# Altium PCB Battman.PcbDoc (part 2 of 5) (continued)
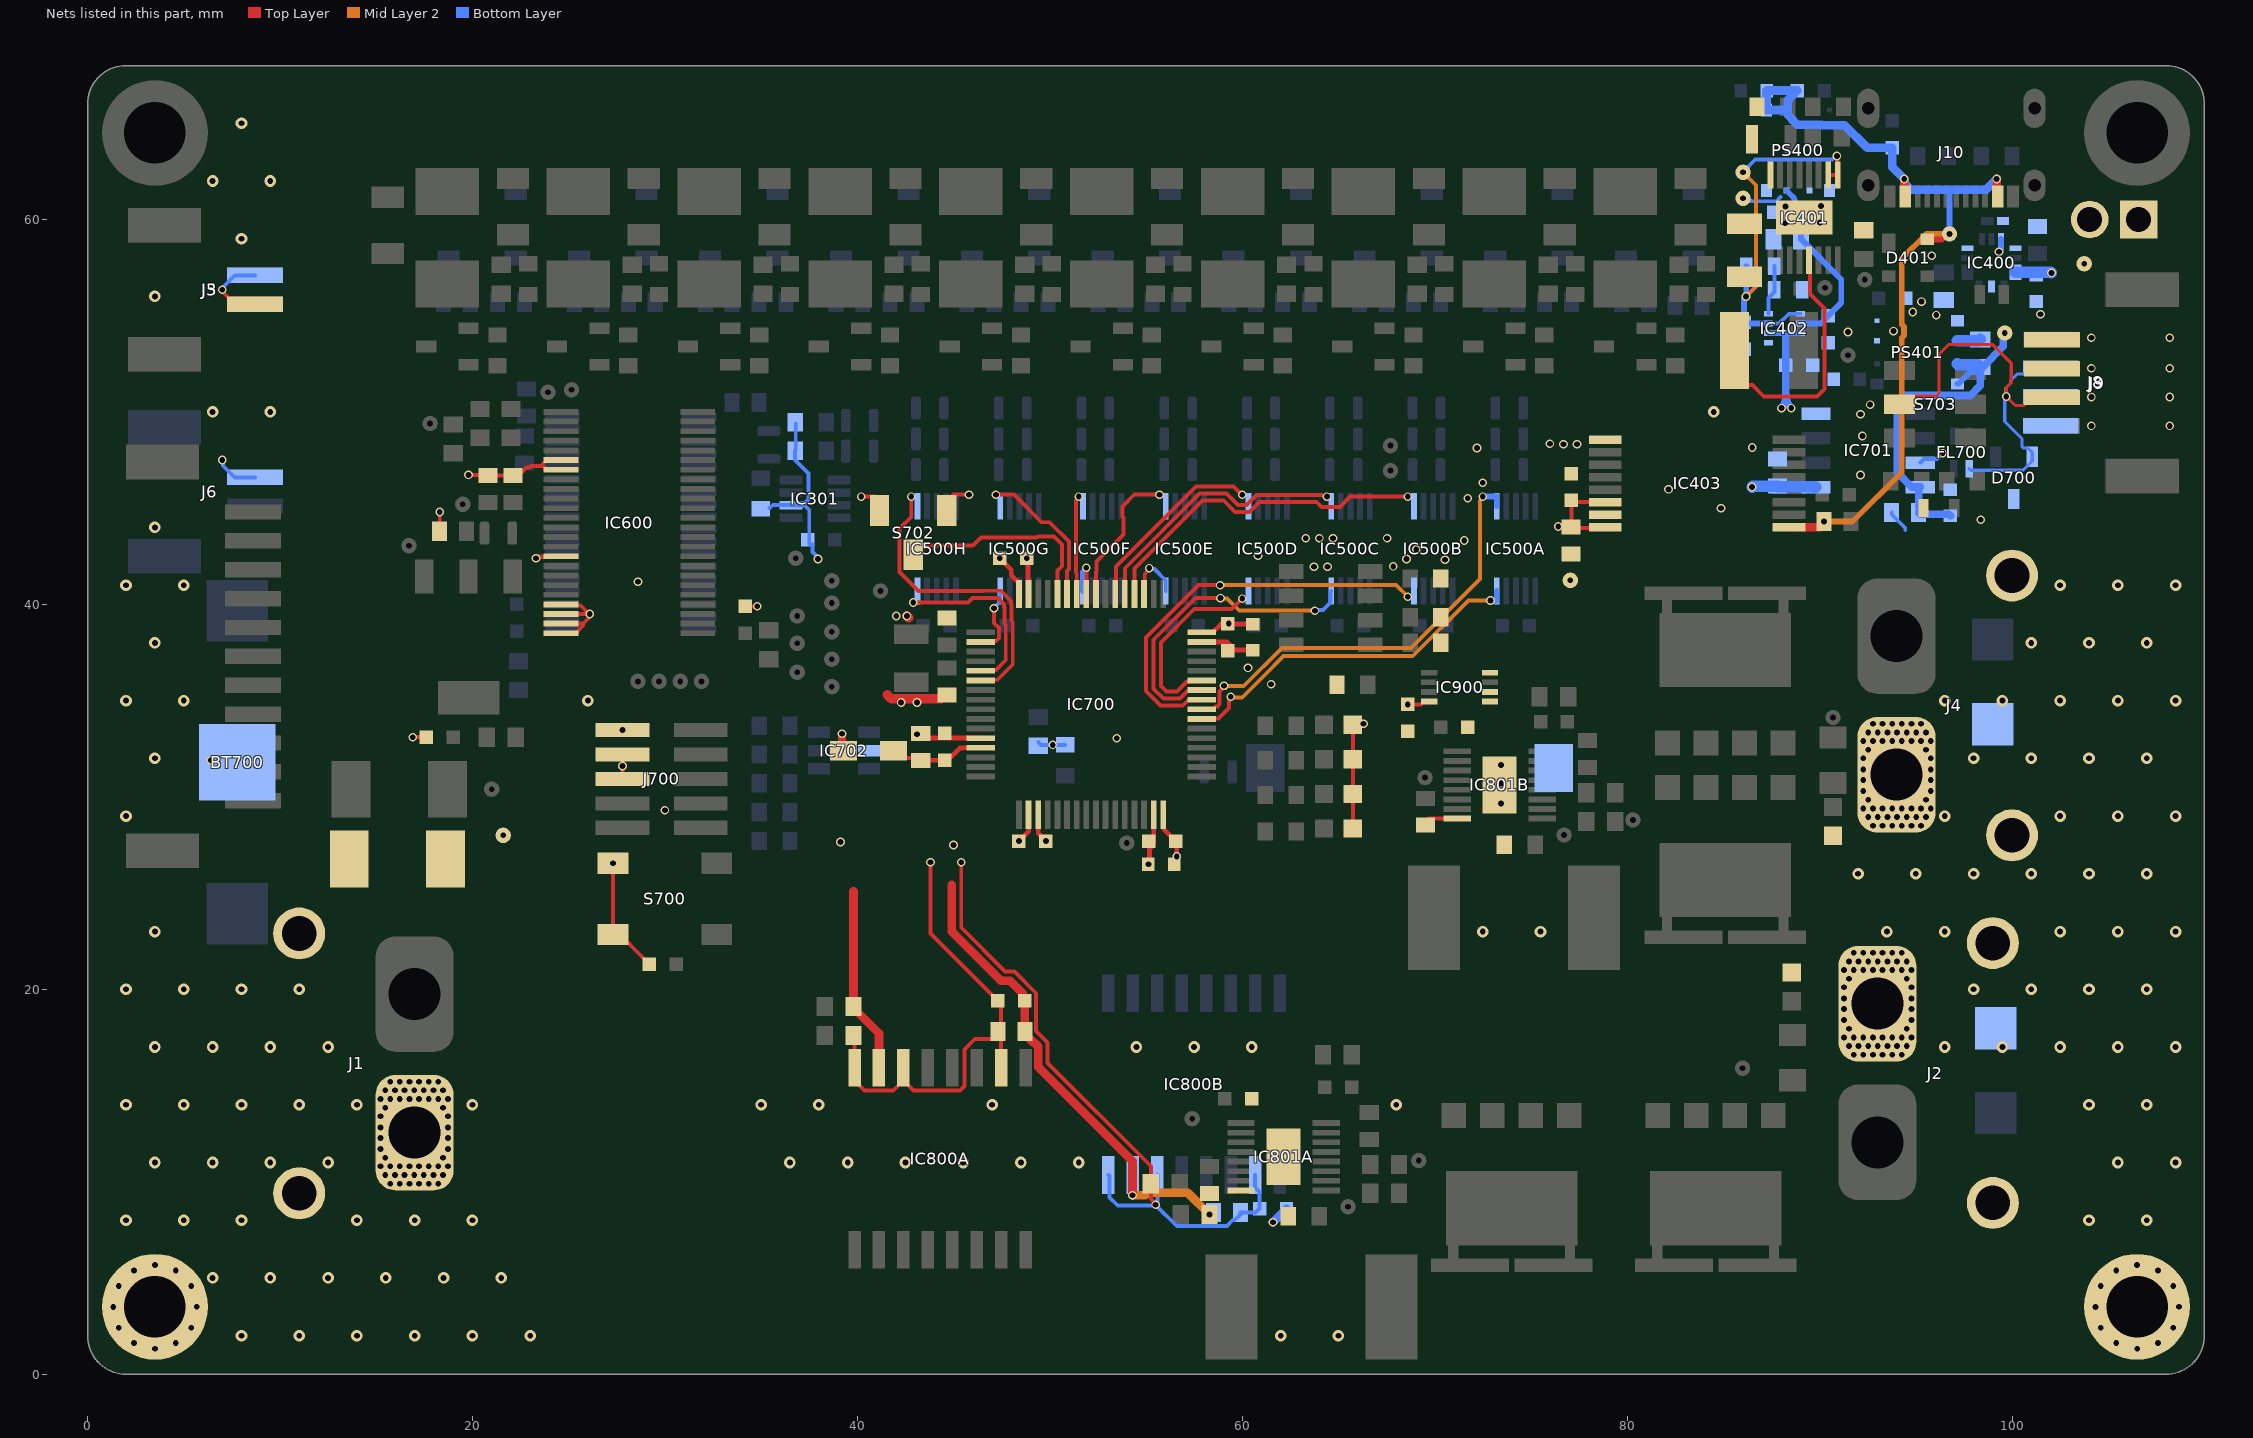
[diagram p6: the nets of this part, all layers, seen from the top]
## Part data (continued)
J4: "Connector", Manufacturer_Name=Amass, Datasheet Link=https://www.tme.eu/Document/1191bc2fa3aee3c446e5a895fd8f7983/XT60PW-F.pdf, Height=8.4mm, Manufacturer_Part_Number=XT60PW-F
J7: "Connector", Arrow Part Number=502585-1070, Manufacturer_Name=Molex, Mouser Part Number=538-502585-1070, Arrow Price/Stock=https://www.arrow.com/en/products/502585-1070/molex, Datasheet Link=https://www.molex.com/pdm_docs/sd/5025851070_sd.pdf, Height=6.35mm, Manufacturer_Part_Number=502585-1070, Mouser Price/Stock=https://www.mouser.co.uk/ProductDetail/Molex/502585-1070?qs=3OKVfsn1b5BLfpTO0z92Dw%3D%3D
J8 J9: "Connector", Manufacturer_Name=Molex, Mouser Part Number=538-502585-0470, Arrow Part Number=502585-0470, Arrow Price/Stock=https://www.arrow.com/en/products/5025850470/molex, Height=6.6mm, Manufacturer_Part_Number=502585-0470, Mouser Price/Stock=https://www.mouser.co.uk/ProductDetail/Molex/502585-0470?qs=3OKVfsn1b5AU8ip3wCejKg%3D%3D
J10: "USB-C (USB TYPE-C) USB 2.0 Receptacle Connector 24 (6+18 Dummy) Position Surface Mount, Right Angle; Through Hole", Package=None, Check_prices=https://www.snapeda.com/parts/10171746-00021LF/Amphenol/view-part/?ref=eda, MF=Amphenol, MP=10171746-00021LF, SnapEDA_Link=https://www.snapeda.com/parts/10171746-00021LF/Amphenol/view-part/?ref=snap
J11: "Connector", Manufacturer_Name="Wurth Elektronik", Mouser Part Number=710-61300211121, Datasheet Link=https://componentsearchengine.com/Datasheets/2/61300211121.pdf, Height=8.54mm, Manufacturer_Part_Number=61300211121, Mouser Price/Stock=https://www.mouser.co.uk/ProductDetail/Wurth-Elektronik/61300211121?qs=t4813l51qx%252B1A5GYDQxPlw%3D%3D
J700: "Connector", Manufacturer_Name=SAMTEC, Mouser Part Number=200-FTSH10501LDVK, Arrow Part Number=FTSH-105-01-L-DV-K, Arrow Price/Stock=https://www.arrow.com/en/products/ftsh-105-01-l-dv-k/samtec?utm_currency=USD&region=europe, Datasheet Link=https://www.arrow.com/en/products/ftsh-105-01-l-dv-k/samtec, Height=6.1mm, Manufacturer_Part_Number=FTSH-105-01-L-DV-K, Mouser Price/Stock=https://www.mouser.co.uk/ProductDetail/Samtec/FTSH-105-01-L-DV-K?qs=%252B5JSS813miOqo3Vy%252BvhCFg%3D%3D
L400: "Inductor", Manufacturer_Name=TDK, Mouser Part Number=810-VLS5045EX-220M, Arrow Part Number=VLS5045EX-220M, Arrow Price/Stock=https://www.arrow.com/en/products/vls5045ex-220m/tdk?region=nac, Datasheet Link=https://product.tdk.com/system/files/dam/doc/product/inductor/inductor/smd/catalog/inductor_commercial_power_vls5045ex_en.pdf, Height=4mm, Manufacturer_Part_Number=VLS5045EX-220M, Mouser Price/Stock=https://www.mouser.co.uk/ProductDetail/TDK/VLS5045EX-220M?qs=oF%2FSscNnLpAAQL9ec5VdpA%3D%3D
L401: "Inductor", Manufacturer_Name="Murata Electronics", Mouser Part Number=81-DFE18SBN1R0ME0L, Datasheet Link=https://search.murata.co.jp/Ceramy/image/img/P02/JETE243A-0041.pdf, Height=0.8mm, Manufacturer_Part_Number=DFE18SBN1R0ME0L, Mouser Price/Stock=https://www.mouser.co.uk/ProductDetail/Murata-Electronics/DFE18SBN1R0ME0L?qs=byeeYqUIh0Mps9dQtDnpsA%3D%3D
LED700 LED800A LED800B: "LED", Manufacturer_Name="Wurth Elektronik", Mouser Part Number=710-150060VS75000, Datasheet Link=https://componentsearchengine.com/Datasheets/2/150060VS75000.pdf, Height=0.8mm, Manufacturer_Part_Number=150060VS75000, Mouser Price/Stock=https://www.mouser.co.uk/ProductDetail/Wurth-Elektronik/150060VS75000?qs=LlUlMxKIyB1Q1Bi5mQ%2FKLw%3D%3D
LED701: "LED", Manufacturer_Name="Wurth Elektronik", Mouser Part Number=710-150060YS75000, Datasheet Link=http://uk.rs-online.com/web/p/products/8154219, Height=0.8mm, Manufacturer_Part_Number=150060YS75000, Mouser Price/Stock=https://www.mouser.co.uk/ProductDetail/Wurth-Elektronik/150060YS75000?qs=LlUlMxKIyB0nKmwefHgtZw%3D%3D
LED702: "LED", Manufacturer_Name="Wurth Elektronik", Mouser Part Number=710-150060AS75000, Datasheet Link=https://componentsearchengine.com/Datasheets/2/150060AS75000.pdf, Height=0.8mm, Manufacturer_Part_Number=150060AS75000, Mouser Price/Stock=https://www.mouser.co.uk/ProductDetail/Wurth-Elektronik/150060AS75000?qs=d0WKAl%252BL4KbvMBYryeof0Q%3D%3D
LED703: "LED", Manufacturer_Name="Wurth Elektronik", Mouser Part Number=710-150060RS75000, Datasheet Link=http://katalog.we-online.de/led/datasheet/150060RS75000.pdf, Height=0.8mm, Manufacturer_Part_Number=150060RS75000, Mouser Price/Stock=https://www.mouser.co.uk/ProductDetail/Wurth-Elektronik/150060RS75000?qs=LlUlMxKIyB3QnmZ3fw%2FVCA%3D%3D
LS700: "Loudspeaker or Buzzer", Manufacturer_Name="Same Sky", Mouser Part Number=490-CPT-1625-80SMTTR, Datasheet Link=https://www.sameskydevices.com/product/resource/supplyframepdf/cpt-1625-80-smt-tr.pdf, Height=3mm, Manufacturer_Part_Number=CPT-1625-80-SMT-TR, Mouser Price/Stock=https://www.mouser.co.uk/ProductDetail/CUI-Devices/CPT-1625-80-SMT-TR?qs=P1JMDcb91o43eCFIymFs3Q%3D%3D
PS400 PS401: Package=None, Availability=Unavailable, MF="{'manufacturer': u'Recom Power'}", MP=R05C1TF05S-R, Price=None
Q200A Q200B Q200C Q200D Q200E Q200F Q200G Q200H Q200I Q200J: "Integrated Circuit", Manufacturer_Name=Nexperia, Mouser Part Number=771-NX2301P215, Arrow Part Number=NX2301P,215, Arrow Price/Stock=https://www.arrow.com/en/products/nx2301p215/nexperia?utm_currency=USD&region=europe, Datasheet Link=https://assets.nexperia.com/documents/data-sheet/NX2301P.pdf, Height=1.1mm, Manufacturer_Part_Number=NX2301P,215, Mouser Price/Stock=https://www.mouser.co.uk/ProductDetail/Nexperia/NX2301P215?qs=A1cBxND5mHKs%252BLrxCDENxw%3D%3D
Q600: "Transistor BJT NPN", Manufacturer_Name=Nexperia, Mouser Part Number=771-BCP56-16TF, Arrow Part Number=BCP56-16TF, Arrow Price/Stock=https://www.arrow.com/en/products/bcp56-16tf/nexperia?region=nac, Datasheet Link=https://assets.nexperia.com/documents/data-sheet/BCP56T_SER.pdf, Height=1.8mm, Manufacturer_Part_Number=BCP56-16TF, Mouser Price/Stock=https://www.mouser.co.uk/ProductDetail/Nexperia/BCP56-16TF?qs=uj7TeyS2Sj96ubfysKmpcg%3D%3D
Q800A Q800B Q801A Q801B: "MOSFET (N-Channel)", Manufacturer_Name=Vishay, Mouser Part Number=78-SQJQ160E-T1_GE3, Datasheet Link=https://www.vishay.com/docs/63059/sqjq160e.pdf, Height=1.65mm, Manufacturer_Part_Number=SQJQ160E-T1_GE3, Mouser Price/Stock=https://www.mouser.co.uk/ProductDetail/Vishay-Semiconductors/SQJQ160E-T1_GE3?qs=Wj%2FVkw3K%252BMDBWZlqh0rWDw%3D%3D
R1 R2: "Resistor 5.1k, 1%", Manufacturer_Name=Vishay, Mouser Part Number=71-CRCW06035K10FKEBC, Arrow Part Number=CRCW06035K10FKEBC, Arrow Price/Stock=https://www.arrow.com/en/products/crcw06035k10fkebc/vishay?region=nac, Datasheet Link=https://www.vishay.com/docs/28773/crcwce3.pdf, Height=0.55mm, Manufacturer_Part_Number=CRCW06035K10FKEBC, Mouser Price/Stock=https://www.mouser.co.uk/ProductDetail/Vishay-Dale/CRCW06035K10FKEBC?qs=wd5RIQLrsJiajonkePuzqw%3D%3D, Supplier 1=Mouser, Supplier Part Number 1=71-CRCW06035K10FKEBC
R200A R200B R200C R200D R200E R200F R200G R200H R200I R200J: "Resistor 1k, 1%", Manufacturer_Name=YAGEO, Mouser Part Number=603-AF0603FR-071KL, Datasheet Link=https://www.mouser.de/datasheet/2/447/PYu_AF_51_RoHS_L_9-3358811.pdf, Height=0.55mm, Manufacturer_Part_Number=AF0603FR-071KL, Mouser Price/Stock=https://www.mouser.co.uk/ProductDetail/YAGEO/AF0603FR-071KL?qs=tggtontpCXPK7%252BIEiEzGxw%3D%3D, Supplier 1=Avnet, Supplier Part Number 1=AF0603FR-071KL
R201A R201B R201C R201D R201E R201F R201G R201H R201I R201J R303 R600 R604: "Resistor 100R, 1%", Manufacturer_Name=Vishay, Mouser Part Number=71-CRCW0603-100-E3, Arrow Part Number=CRCW0603100RFKEA, Arrow Price/Stock=https://www.arrow.com/en/products/crcw0603100rfkea/vishay?utm_currency=USD&region=europe, Datasheet Link=http://www.vishay.com/docs/20035/dcrcwe3.pdf, Height=0.5mm, Manufacturer_Part_Number=CRCW0603100RFKEA, Mouser Price/Stock=https://www.mouser.co.uk/ProductDetail/Vishay-Dale/CRCW0603100RFKEA?qs=90AHS1y%2FsidGWjjxZAupKg%3D%3D, Supplier 1=Mouser, Supplier Part Number 1=71-CRCW0603-100-E3
R202A R202B R202C R202D R202E R202F R202G R202H R202I R202J: library part CRGH0603F3K3, "Resistor 3k3 1%", Manufacturer_Name="TE Connectivity", Mouser Part Number=279-CRGH0603F3K3, Supplier Part Number 1=46AK9312, Datasheet Link=http://docs-europe.electrocomponents.com/webdocs/12d7/0900766b812d7379.pdf, Height=0.55mm, Manufacturer_Part_Number=CRGH0603F3K3, Supplier 1=Avnet
R203A R203B R203C R203D R203E R203F R203G R203H R203I R203J: library part CRM2512-JW-330ELF, "Resistor 33R, 2W, 5%", Manufacturer_Name=Bourns, Mouser Part Number=652-CRM2512JW330ELF, Datasheet Link=http://www.bourns.com/data/global/pdfs/CRM0805_1206_2010.pdf, Height=0.8mm, Manufacturer_Part_Number=CRM2512-JW-330ELF, Mouser Price/Stock=https://www.mouser.co.uk/ProductDetail/Bourns/CRM2512-JW-330ELF?qs=dxeCVZFKEXcR8BXxHz0dQA%3D%3D, Supplier 1=Mouser, Supplier Part Number 1=652-CRM2512JW330ELF
R300 R301 R302 R405: library part CRCW0603100KFKEAC, "Resistor 100k, 1%", Manufacturer_Name=Vishay, Mouser Part Number=71-CRCW0603100KFKEAC, Arrow Part Number=CRCW0603100KFKEAC, Arrow Price/Stock=https://www.arrow.com/en/products/crcw0603100kfkeac/vishay?utm_currency=USD&region=nac, Datasheet Link=https://www.mouser.com/datasheet/2/427/crcwce3-1223726.pdf, Height=0.55mm, Manufacturer_Part_Number=CRCW0603100KFKEAC, Mouser Price/Stock=https://www.mouser.co.uk/ProductDetail/Vishay-Dale/CRCW0603100KFKEAC?qs=E3Y5ESvWgWPxzfNYyMgX1w%3D%3D, Supplier 1=Mouser, Supplier Part Number 1=71-CRCW0603100KFKEAC
R400: library part CR0201-FW-4991GLF, "Resistor", Manufacturer_Name=Bourns, Mouser Part Number=652-CR0201FW-4991GLF, Datasheet Link=https://www.bourns.com/pdfs/chpreztr.pdf, Height=0.26mm, Manufacturer_Part_Number=CR0201-FW-4991GLF, Mouser Price/Stock=https://www.mouser.co.uk/ProductDetail/Bourns/CR0201-FW-4991GLF?qs=W7X4MxMep48JtJbJXkcmpg%3D%3D
R402: library part MCT0603MD1304BP500, "Resistor 1.3M 1%", Manufacturer_Name=Vishay, Mouser Part Number=594-MCT0603MD1304BP5, Datasheet Link=http://www.vishay.com/docs/28705/mcx0x0xpro.pdf, Height=0.55mm, Manufacturer_Part_Number=MCT0603MD1304BP500, Mouser Price/Stock=https://www.mouser.co.uk/ProductDetail/Vishay/MCT0603MD1304BP500?qs=Jslch3jnSjn3NEL17BAJuQ%3D%3D, Supplier 1=Mouser, Supplier Part Number 1=594-MCT0603MD1304BP5
R403: library part CRCW0603232KFKEA, "Resistor", Manufacturer_Name=Vishay, Mouser Part Number=71-CRCW0603-232K-E3, Arrow Part Number=CRCW0603232KFKEA, Arrow Price/Stock=https://www.arrow.com/en/products/crcw0603232kfkea/vishay, Datasheet Link=http://www.vishay.com/docs/20035/dcrcwe3.pdf, Height=0.5mm, Manufacturer_Part_Number=CRCW0603232KFKEA, Mouser Price/Stock=https://www.mouser.co.uk/ProductDetail/Vishay-Dale/CRCW0603232KFKEA?qs=NHKSztHah43mx5UrSmXOxA%3D%3D
R404 R806A R806B: library part CRCW0603100RFKEA, "Resistor 100R, 1%", Manufacturer_Name=Vishay, Mouser Part Number=71-CRCW0603-100-E3, Arrow Part Number=CRCW0603100RFKEA, Arrow Price/Stock=https://www.arrow.com/en/products/crcw0603100rfkea/vishay?utm_currency=USD&region=europe, Datasheet Link=http://www.vishay.com/docs/20035/dcrcwe3.pdf, Height=0.5mm, Manufacturer_Part_Number=CRCW0603100RFKEA, Mouser Price/Stock=https://www.mouser.co.uk/ProductDetail/Vishay-Dale/CRCW0603100RFKEA?qs=90AHS1y%2FsidGWjjxZAupKg%3D%3D, Supplier 1=Mouser, Supplier Part Number 1=71-CRCW0603-100-E3
R406 R407: library part ERA-3AED154V, "Resistor 150k 0.5%", Manufacturer_Name=Panasonic, Mouser Part Number=667-ERA-3AED154V, Arrow Part Number=ERA-3AED154V, Arrow Price/Stock=https://www.arrow.com/en/products/era-3aed154v/panasonic?region=nac, Datasheet Link=https://industrial.panasonic.com/cdbs/www-data/pdf/RDM0000/AOA0000C307.pdf, Height=0.55mm, Manufacturer_Part_Number=ERA-3AED154V, Mouser Price/Stock=https://www.mouser.co.uk/ProductDetail/Panasonic/ERA-3AED154V?qs=MNPzkKEzRtSm98HasUBZjQ%3D%3D, Supplier 1=Mouser, Supplier Part Number 1=667-ERA-3AED154V
R601 R602 R603 R900: "Resistor 10k, 1%", Manufacturer_Name=Vishay, Mouser Part Number=71-CRCW060310K0FKEI, Arrow Part Number=CRCW060310K0FKEI, Arrow Price/Stock=https://www.arrow.com/en/products/crcw060310k0fkei/vishay?utm_currency=USD&region=nac, Datasheet Link=http://www.vishay.com/docs/20035/dcrcwe3.pdf, Height=0.5mm, Manufacturer_Part_Number=CRCW060310K0FKEI, Mouser Price/Stock=https://www.mouser.co.uk/ProductDetail/Vishay-Dale/CRCW060310K0FKEI?qs=3qWEzBg5KnKofE%252B8acPBRA%3D%3D, Supplier 1=Mouser, Supplier Part Number 1=71-CRCW060310K0FKEI
R700 R701 R702 R703: library part ERJ-3EKF2700V, "Resistor 270R 1%", Manufacturer_Name=Panasonic, Mouser Part Number=667-ERJ-3EKF2700V, Arrow Part Number=ERJ-3EKF2700V, Arrow Price/Stock=https://www.arrow.com/en/products/erj-3ekf2700v/panasonic?region=nac, Datasheet Link=http://industrial.panasonic.com/cdbs/www-data/pdf/RDA0000/AOA0000C86.pdf, Height=0.55mm, Manufacturer_Part_Number=ERJ-3EKF2700V, Mouser Price/Stock=https://www.mouser.co.uk/ProductDetail/Panasonic/ERJ-3EKF2700V?qs=iBwFsHVUAOdaUVxng5ojCw%3D%3D
R704 R705 R706 R707 R712 R713 R714 R715 R716: library part RC0603FR-0722RL, "Resistor 22Ohm 1%", Manufacturer_Name=YAGEO, Mouser Part Number=603-RC0603FR-0722RL, Supplier Part Number 1=8636706, Arrow Part Number=RC0603FR-0722RL, Arrow Price/Stock=https://www.arrow.com/en/products/rc0603fr-0722rl/yageo?region=nac, Datasheet Link=http://www.farnell.com/datasheets/1868787.pdf, Height=0.55mm, Manufacturer_Part_Number=RC0603FR-0722RL, Mouser Price/Stock=https://www.mouser.co.uk/ProductDetail/YAGEO/RC0603FR-0722RL?qs=diQw95jMAeMOsxb8bne7fg%3D%3D, Supplier 1="Future Electronics"
R708 R709: library part CPF0603F60R4C1, "Resistor 60.4R, 1%", Manufacturer_Name="TE Connectivity", Mouser Part Number=279-CPF0603F60R4C1, Datasheet Link=https://www.te.com/commerce/DocumentDelivery/DDEController?Action=srchrtrv&DocNm=8-1773459-4_ELEVATOR_ESCALATOR_SOLUTIONS&DocType=Data%20Sheet&DocLang=English&PartCntxt=4-1879335-4&DocFormat=pdf, Height=0.55mm, Manufacturer_Part_Number=CPF0603F60R4C1, Supplier 1=Mouser, Supplier Part Number 1=279-CPF0603F60R4C1
R711: library part CRCW06035K10FKEBC, "Resistor 5.1k, 1%", Manufacturer_Name=Vishay, Mouser Part Number=71-CRCW06035K10FKEBC, Arrow Part Number=CRCW06035K10FKEBC, Arrow Price/Stock=https://www.arrow.com/en/products/crcw06035k10fkebc/vishay?region=nac, Datasheet Link=https://www.vishay.com/docs/28773/crcwce3.pdf, Height=0.55mm, Manufacturer_Part_Number=CRCW06035K10FKEBC, Mouser Price/Stock=https://www.mouser.co.uk/ProductDetail/Vishay-Dale/CRCW06035K10FKEBC?qs=wd5RIQLrsJiajonkePuzqw%3D%3D, Supplier 1=Mouser, Supplier Part Number 1=71-CRCW06035K10FKEBC
R800A R800B: library part ERJ-P06J332V, "Resistor", Manufacturer_Name=Panasonic, Mouser Part Number=667-ERJ-P06J332V, Arrow Part Number=ERJ-P06J332V, Arrow Price/Stock=https://www.arrow.com/en/products/erj-p06j332v/panasonic, Datasheet Link=http://industrial.panasonic.com/cdbs/www-data/pdf/RDA0000/AOA0000C102.pdf, Height=0.7mm, Manufacturer_Part_Number=ERJ-P06J332V, Mouser Price/Stock=https://www.mouser.co.uk/ProductDetail/Panasonic/ERJ-P06J332V?qs=Zyl8A9hlmJrue%2FwxovXuCg%3D%3D
R801A R801B R802A R802B R803A R803B R804A R804B: library part CRCW06030000Z0EC, "Resistor", Manufacturer_Name=Vishay, Mouser Part Number=71-CRCW06030000Z0EC, Arrow Part Number=CRCW06030000Z0EC, Arrow Price/Stock=https://www.arrow.com/en/products/crcw06030000z0ec/vishay?utm_currency=USD&region=nac, Datasheet Link=http://www.vishay.com/docs/20035/dcrcwe3.pdf, Height=0.5mm, Manufacturer_Part_Number=CRCW06030000Z0EC, Mouser Price/Stock=https://www.mouser.co.uk/ProductDetail/Vishay-Dale/CRCW06030000Z0EC?qs=5Vo7YKalRVV5nT3RQodYAA%3D%3D
R805A R805B: library part PU3921FKN130U2L, "Resistor", Manufacturer_Name=YAGEO, Mouser Part Number=603-PU3921FKN130U2L, Arrow Part Number=PU3921FKN130U2L, Arrow Price/Stock=https://www.arrow.com/en/products/pu3921fkn130u2l/yageo?utm_currency=USD&region=nac, Datasheet Link=https://www.yageo.com/upload/media/product/app/datasheet/rchip/pyu-pu_51_rohs_l.pdf, Height=0.63mm, Manufacturer_Part_Number=PU3921FKN130U2L, Mouser Price/Stock=https://www.mouser.co.uk/ProductDetail/YAGEO/PU3921FKN130U2L?qs=Yv%2FzsQ5pz3Hao%2Fr%2FiAcpvw%3D%3D
R807A R807B: library part AT0603BRD0740KL, "Resistor", Manufacturer_Name=YAGEO, Mouser Part Number=603-AT0603BRD0740KL, Datasheet Link=https://pt.mouser.com/datasheet/2/447/PYu_AT_51_RoHS_L_6-3003058.pdf, Height=0.55mm, Manufacturer_Part_Number=AT0603BRD0740KL
S700: "Switch", Manufacturer_Name=Apem, Mouser Part Number=642-MJTP1140A, Datasheet Link=https://componentsearchengine.com/Datasheets/1/MJTP1140A.pdf, Height=1.5mm, Manufacturer_Part_Number=MJTP1140A, Mouser Price/Stock=https://www.mouser.com/Search/Refine.aspx?Keyword=642-MJTP1140A
S701: "Switch", Manufacturer_Name=CTS, Mouser Part Number=774-218-4LPSTJ, Arrow Part Number=218-4LPSTJ, Arrow Price/Stock=https://www.arrow.com/en/products/218-4lpstj/cts, Datasheet Link=https://www.ctscorp.com/wp-content/uploads/218.pdf, Height=2.7mm, Manufacturer_Part_Number=218-4LPSTJ, Mouser Price/Stock=https://www.mouser.co.uk/ProductDetail/CTS-Electronic-Components/218-4LPSTJ?qs=qNzHFtQhdJ%2Frpuf7cnHHWA%3D%3D
S702: "Switch", Manufacturer_Name="Nidec Copal", Mouser Part Number=229-CAS-120TA, Arrow Part Number=CAS-120TA, Arrow Price/Stock=https://www.arrow.com/en/products/cas-120ta/nidec-copal-electronics, Datasheet Link=https://www.mouser.com/datasheet/2/972/cas-1628136.pdf, Height=2.5mm, Manufacturer_Part_Number=CAS-120TA, Mouser Price/Stock=https://www.mouser.co.uk/ProductDetail/Nidec-Components/CAS-120TA?qs=XeJtXLiO41SaUq1d6RzxrQ%3D%3D
S703: "Switch", Manufacturer_Name="Nidec Copal", Mouser Part Number=229-CAS-220TA, Datasheet Link=https://www.digikey.ph/en/products/detail/nidec-components-corporation/CAS-220TA/341663?msockid=39f1ec84d77b6f4428b7f904d6676eed, Height=2.5mm, Manufacturer_Part_Number=CAS-220TA, Mouser Price/Stock=https://www.mouser.co.uk/ProductDetail/Nidec-Components/CAS-220TA?qs=XeJtXLiO41Tq8gHkPWHRfA%3D%3D
X1 X2 X3 X4: library part VisM3
Y700: "Crystal or Oscillator", Arrow Part Number="FC-135 32.7680KA-AG0", Manufacturer_Name="Epson Timing", Mouser Part Number=732-FC135-32.76KAAG0, Arrow Price/Stock=https://www.arrow.com/en/products/fc-13532.7680ka-ag0/epson-electronics-america?utm_currency=USD&region=nac, Datasheet Link=https://support.epson.biz/td/api/doc_check.php?dl=brief_FC-135&lang=en/.pdf, Height=0.9mm, Manufacturer_Part_Number="FC-135 32.7680KA-AG0", Mouser Price/Stock=https://www.mouser.co.uk/ProductDetail/Epson-Timing/FC-135-32.7680KA-AG0?qs=l3LL3yk8ONZCQSM4diwOUg%3D%3D
Z200A Z200B Z200C Z200D Z200E Z200F Z200G Z200H Z200I Z200J Z201A Z201B Z201C Z201D Z201E Z201F Z201G Z201H Z201I Z201J: "Zener Diode 6.8V", Manufacturer_Name=onsemi, Mouser Part Number=863-MMSZ4692T1G, Arrow Part Number=MMSZ4692T1G, Arrow Price/Stock=https://www.arrow.com/en/products/mmsz4692t1g/on-semiconductor, Datasheet Link=https://www.onsemi.com/pub/Collateral/MMSZ4678T1-D.PDF, Height=1.35mm, Manufacturer_Part_Number=MMSZ4692T1G, Mouser Price/Stock=https://www.mouser.co.uk/ProductDetail/onsemi/MMSZ4692T1G?qs=P4IOph%252Bbot8jSn3zyyx1xw%3D%3D

## Via types
v1: diameter 0.45, hole 0.3, Top Layer to Bottom Layer, tented both sides, 1593 vias
v2: diameter 0.6, hole 0.3, Top Layer to Bottom Layer, tented both sides, 204 vias

## Nets (pads, with @x,y where several pads share a name; then routed paths per layer and width w, separated by ;. In a path a pad name is that pad's centre, name@x,y a point inside that pad or via, vN(x,y) a via of type N, cw(c..) or ccw(c..) an arc to the next point about the centre after c; other vN are vias at no path point)
3.3V: C405.2 C410.1 C411.2 C420.1 C702.2 C703.2 C704.2 C705.2 C706.2 C707.2 C712.2 C800A.2 C800B.2 C804A.2 C804B.2 C900.1 FB700.2 IC400.3 IC400.6 IC402.2 IC402.7 IC403.14 IC403.16 IC700.19 IC700.32 IC700.48 IC700.64 IC701.1 IC800A.10 IC800A.14 IC800A.16 IC800B.10 IC800B.14 IC800B.16 IC900.8 J11.2 J700.1 R711.1 R801A.2 R801B.2 R900.1 S702.3 TP401.1 | length 92.9
  Top Layer w0.203: R801A.2@39.8,17.6 39.855,17.545 IC800A.16@39.855,15.925 39.855,15.275 40.382,14.748 41.868,14.748 IC800A.14@42.395,15.275 ; v1(40.2,45.6) 40.9,45.6 S702.3@41.15,45.35 ; IC800A.14@42.395,15.925 IC800A.14@42.395,15.275 ; v1(43.8,26.6) 43.8,22.898 47.05,19.648 47.052,19.648 C800A.2@47.3,19.4 ; v1(45.4,26.6) 45.4,23.2 47.675,20.925 48.16,20.925 49.292,19.794 49.292,17.826 49.882,17.236 49.882,16.171 55.25,10.802 R801B.2@55.25,9.9 55.25,9.095 55.5,8.845 v1(55.5,8.8) ; C804A.2@47.3,17.8 47.3,17.695 47.012,17.407 46.101,17.407 45.57,16.875 45.57,14.975 45.344,14.748 42.922,14.748 IC800A.14@42.395,15.275 ; IC800A.10@47.475,15.925 C800A.2@47.475,19.225 ; C900.1@68.4,34.8 v1(68.6,34.8) 69.3,34.8 69.402,34.902 69.677,34.902 IC900.8@69.725,34.95 ; IC403.16@78.825,43.969 77.131,43.969 C411.2@77.075,44.025 77.1,44.05 C410.1@77.1,45.4 77.19,45.31 IC403.14@78.866,45.31
  Top Layer w0.25: v1(47.4,42.4) 48,41.8 48,41.526 48.4,41.126 IC700.64@48.4,40.538 ; IC700.19@49.4,29.062 49.4,28.1 v1(49.8,27.7) ; IC700.32@55.9,29.062 55.925,29.037 55.925,28.325 C704.2@56.55,27.7 56.6,27.65 v1(56.6,26.9) 56.562,26.862 56.562,26.524 C702.2@56.537,26.5 ; IC700.48@57.888,38.55 58.476,38.55 58.901,38.975 C706.2@60.55,38.975
  Top Layer w0.4: v1(39.2,33.275) 39.2,32.475 FB700.2@39.275,32.4
  Bottom Layer w0.203: R900.1@49.4,32.85 49.55,32.7 v1(50.15,32.7) R711.1@50.8,32.7 ; IC800B.16@53.05,10.35 53.111,10.289 53.111,9.189 53.53,8.77 55.47,8.77 v1(55.5,8.8) ; IC800B.14@55.59,10.35 55.59,8.957 55.5,8.867 v1(55.5,8.8) ; IC800B.10@60.67,10.35 60.67,9.7 60.9,9.47 C800B.2@60.9,8.6 60.7,8.4 C804B.2@59.9,8.4 59.9,8.295 59.612,8.007 59.507,8.007 59.203,7.703 56.597,7.703 v1(55.5,8.8)
  Bottom Layer w0.3: IC402.2@87.337,54.1 88.175,54.1 IC402.7@89.013,54.1 ; v1(99.325,58.325) 99.325,58.366 99.433,58.474 IC400.3@99.433,58.991
  Bottom Layer w0.4: v1(88.025,50.2) ccw(c87.505,50.72) 88.24,50.72 88.24,50.888 ; 88.175,54.1 cw(c88.018,53.943) 88.24,53.943 C405.2@88.24,52.428 88.24,50.888 ; v1(88.525,50.2) cw(c89.213,50.888) 88.24,50.888
  Bottom Layer w0.6: v1(86.49,46.1) 86.536,46.145 C712.2@87.807,46.145 87.832,46.12 89.788,46.12 IC701.1@89.813,46.095 ; IC400.6@100.171,57.253 101.253,57.253 102.022,57.253 v1(102.05,57.225)
  other v1: 27.8,33.47 59.3,39 76.425,44.05
3.3VUSB: C407.2 C413.1 C414.2 IC402.6 PS400.8_9 TP403.1 | length 11.6
  Bottom Layer w0.2: TP403.1@86.025,61.1 86.14,60.985 86.407,60.985 86.442,60.95 87.75,60.95 87.975,61.175
  Bottom Layer w0.3: PS400.8_9@88.275,61.513 88.616,61.172 cw(c88.403,60.96) 88.672,61.092 88.929,60.567 C413.1@89.026,60.367 89.036,60.357 89.036,58.977 C414.2@89.046,58.967 91.125,56.889 91.125,55.675 C407.2@90.45,55 90.05,54.6 IC402.6@89.013,54.6
3V3_Reg: C403.2 C406.2 IC401.1 IC401.2 IC401.13 IC402.3 IC402.5 L400.2 R406.2 TP402.1 | length 31.7
  Top Layer w0.203: L400.2@86.074,51.826 86.074,51.539 86.223,51.389 86.511,51.389 87.1,50.8 89.875,50.8 90.259,51.184 90.259,55.373 89.502,56.129 89.502,56.834 89.495,56.84 89.495,57.843 IC401.13@89.45,57.888 ; IC401.2@90.45,62.312 IC401.1@90.95,62.312 90.925,62.337 90.925,63.275 v1(90.9,63.3)
  Mid Layer 2 w0.203: TP402.1@86.025,62.45 86.695,61.78 86.695,56.52 v1(86.175,56)
  Bottom Layer w0.203: TP402.1@86.105,62.555 86.657,63.107 90.658,63.107 90.851,63.3 v1(90.9,63.3) ; IC402.3@87.337,54.6 87.901,54.6 88.401,55.1 IC402.5@89.013,55.1
  Bottom Layer w0.3: R406.2@86.2,57.575 86.187,57.562 86.187,56.012 v1(86.175,56) 86.175,55.959 86.075,55.859 C406.2@86.075,54.65 86.125,54.6 IC402.3@87.337,54.6
3V3_Sel: IC402.4 R406.1 R407.2 | length 2.6
  Bottom Layer w0.203: IC402.4@87.337,55.1 87.337,55.912 87.65,56.225 R407.2@87.65,56.35 R406.1@87.65,57.575
3V3A_Stm: C700.2 C701.2 FB700.1 IC700.13 | length 4.9
  Top Layer w0.203: FB700.1@41.875,32.4 42.256,32.019 43.176,32.019 C700.2@43.295,31.9
  Top Layer w0.25: C700.2@43.45,31.9 44.55,31.9 44.7,31.9 45.341,32.541 45.466,32.541 45.475,32.55 IC700.13@46.412,32.55
5V: C418.2 C709.2 C710.2 IC701.8 PS401.7 PS401.8_9 TP407.1 | length 18.7
  Bottom Layer w0.3: PS401.7@97.162,51.463 97.212,51.463 97.815,52.065 98.085,52.065 C418.2@98.35,52.33
  Bottom Layer w0.4: C710.2@95.15,44.775 95.238,44.688 96.712,44.688 C709.2@96.8,44.6 ; C710.2@95.15,45.07 95.15,46.008 IC701.8@95.237,46.095 94.8,46.095 94.05,46.845 94.05,50.45 94.45,50.85 97.825,50.85 98.35,51.375 C418.2@98.35,52.33 98.47,52.33 99.548,53.408 99.548,54.023 TP407.1@99.625,54.1
  Bottom Layer w0.6: PS401.8_9@97.162,52.5 97.217,52.445 98.235,52.445 C418.2@98.35,52.33
5V_USB: C400.2 C401.1 C408.2 C412.1 D401.4 IC403.1 J10.A4_B9 J10.B4_A9 PS400.4_5 PS400.6 TP400.1 | length 45.7
  Top Layer w0.203: J10.B4_A9@94.45,61.2 J10.B4_A9@94.475,61.175
  Top Layer w0.3: D401.4@95.599,58.962 96.343,58.962 96.631,59.25 TP400.1@96.75,59.25
  Top Layer w0.45: IC403.1@88.416,44.01 90.04,44.01 90.225,44.195 v1(90.225,44.3) ; v1(94.4,62.1) 94.4,61.25 J10.B4_A9@94.45,61.2 ; v1(99.2,62.1) 99.2,61.25 J10.A4_B9@99.25,61.2
  Mid Layer 2 w0.3: v1(90.225,44.3) 91.715,44.3 94.269,46.854 94.269,53.846 94.394,53.971 94.394,54.427 94.269,54.552 94.269,57.969 95.55,59.25 TP400.1@96.75,59.25
  Bottom Layer w0.203: 99,61.833 99.2,62.033 v1(99.2,62.1)
  Bottom Layer w0.3: 96.7,61.547 96.75,61.497 TP400.1@96.75,59.25
  Bottom Layer w0.45: PS400.4_5@88.275,65.687 PS400.6@87.237,65.687 87.244,65.694 87.244,66.694 C400.2@87.25,66.7 C401.1@88.846,66.7 88.346,66.2 88.346,65.452 88.597,65.201 88.597,65.173 88.848,64.922 90.103,64.922 90.125,64.9 91.3,64.9 92.475,63.725 C408.2@93.775,63.725 93.775,62.725 v1(94.4,62.1) 94.4,61.9 94.753,61.547 96.7,61.547 98.647,61.547 v1(99.2,62.1)
A0_1: IC500A.1 IC700.40 | length 23.2
  Top Layer w0.203: IC700.40@57.888,34.55 58.476,34.55 58.624,34.698 58.709,34.698 58.827,34.817 58.827,35.476 59.053,35.702 v1(59.053,35.769)
  Mid Layer 2 w0.203: v1@59.125,35.65 59.235,35.76 60.079,35.76 62.056,37.737 68.774,37.737 72.354,41.317 72.354,45.387 72.5,45.533 v1(72.5,45.6)
  Bottom Layer w0.3: v1(72.5,45.6) 73.225,45.6 IC500A.1@73.225,45.1
A0_2: IC500B.1 IC700.52 | length 17.8
  Top Layer w0.203: IC700.52@54.4,40.538 54.4,41.863 57.511,44.974 57.933,45.395 59.042,45.395 59.63,44.807 60.37,44.807 60.893,45.33 63.87,45.33 64.13,45.07 65.07,45.07 65.6,45.6 v1(68.6,45.6)
A0_3: IC500C.1 IC700.53 | length 13.9
  Top Layer w0.203: IC700.53@53.9,40.538 53.9,41.876 57.782,45.758 59.192,45.758 59.781,45.17 60.219,45.17 60.742,45.693 64.158,45.693 64.203,45.647 64.353,45.647 v1(64.4,45.6)
A0_4: IC500D.1 IC700.54 | length 9.9
  Top Layer w0.203: IC700.54@53.4,40.538 53.449,40.586 53.449,41.962 57.608,46.122 59.542,46.122 59.963,45.7 v1(60,45.7)
A0_5: IC500E.1 IC700.56 | length 7.3
  Top Layer w0.203: IC700.56@52.4,40.538 52.4,41.651 52.43,41.681 52.43,42.23 53.83,43.63 53.83,44.521 53.77,44.581 53.77,45.081 54.389,45.7 v1(55.7,45.7)
A0_6: IC500F.1 IC700.58 | length 5.1
  Top Layer w0.203: IC700.58@51.4,40.538 51.4,41.632 51.37,41.662 51.37,45.403 51.5,45.533 v1(51.5,45.6)
A0_7: IC500G.1 IC700.59 | length 7.6
  Top Layer w0.203: v1(47.2,45.7) 48.149,45.7 49.579,44.27 49.992,44.27 50.993,43.27 50.993,41.83 50.9,41.738 IC700.59@50.9,40.538
A0_8: IC500H.1 IC700.6 | length 15.9
  Top Layer w0.203: v1(42.8,45.6) 42.8,44.535 42.198,43.934 42.198,41.677 43.175,40.7 46.5,40.7 46.507,40.707 47.456,40.707 47.993,40.17 47.993,40.007 48.014,39.986 48.014,39.149 48.078,39.084 48.078,36.868 47.292,36.082 46.445,36.082 IC700.6@46.412,36.05
A1_1: IC500A.10 IC700.39 | length 18.5
  Top Layer w0.203: IC700.39@57.888,34.05 57.913,34.075 58.775,34.075 59.306,34.606 v1@59.306,35.007
  Mid Layer 2 w0.203: v1@59.32,35.17 60.003,35.17 61.119,36.286 62.142,37.309 68.86,37.309 71.75,40.2 v1(72.9,40.2)
  Bottom Layer w0.3: v1(72.9,40.2) 73.225,40.2 IC500A.10@73.225,40.7
  other v1: 59.4,35.2
A1_2: IC500B.10 IC700.41 | length 21.1
  Top Layer w0.203: IC700.41@57.888,35.05 57.84,35.002 57.167,35.002 56.909,34.744 55.756,34.744 55,35.5 55,38.277 57.723,41 v1@58.916,41
  Mid Layer 2 w0.203: v1(58.85,41) 68,41 v1(68.6,40.4)
A1_3: IC500C.10 IC700.42 | length 16.6
  Top Layer w0.203: IC700.42@57.888,35.55 57.84,35.502 57.154,35.502 56.759,35.107 55.907,35.107 55.4,35.614 55.4,38.163 57.562,40.325 v1(58.875,40.325)
  Mid Layer 2 w0.203: v1(58.875,40.325) 58.887,40.313 59.206,40.313 59.844,39.675 63.887,39.675 v1@63.897,39.665
  Bottom Layer w0.203: v1@63.897,39.665 63.944,39.712 64.187,39.712 64.577,40.102 64.577,40.652 IC500C.10@64.625,40.7
  other v1: 63.775,39.665
A1_4: IC500D.10 IC700.43 | length 9.9
  Top Layer w0.203: IC700.43@57.888,36.05 57.84,36.002 57.14,36.002 56.608,35.47 56.057,35.47 55.77,35.757 55.77,38.019 57.507,39.757 59.457,39.757 v1(60,40.3)
A1_5: IC500E.10 IC700.51 | length 3.1
  Top Layer w0.203: IC700.51@54.9,40.538 54.934,40.572 54.934,41.58 55.172,41.818 v1(55.172,41.885)
  Bottom Layer w0.203: v1(55.172,41.885) 55.219,41.838 55.437,41.838 56.025,41.25 IC500E.10@56.025,40.7
A1_6: IC500F.10 IC700.57 | length 2.6
  Top Layer w0.203: IC700.57@51.9,40.538 v1(51.9,41.9)
  Bottom Layer w0.3: IC500F.10@51.725,40.7 51.725,41.684 51.9,41.859 v1(51.9,41.9)
A1_7: IC500G.10 IC700.2 | length 3.7
  Top Layer w0.203: IC700.2@46.412,38.05 46.461,38.098 47.198,38.098 47.351,38.251 47.351,38.784 47.1,39.035 v1(47.1,39.8)
  Bottom Layer w0.203: v1(47.1,39.8) 47.1,39.825 47.425,40.15 IC500G.10@47.425,40.7
A1_8: IC500H.10 IC700.5 | length 9.4
  Top Layer w0.203: v1(42.9,40.1) 45.751,40.1 45.974,40.323 46.874,40.323 46.881,40.33 47.319,40.33 47.63,40.019 47.63,39.857 47.65,39.836 47.65,38.998 47.715,38.934 47.715,37.115 47.198,36.598 46.461,36.598 IC700.5@46.412,36.55
Bat_GND: D800A.2 D800B.2 F2.1 J1.1 J1.M1 J1.M2 J2.1 J2.M1 J2.M2 J4.2 J4.3 J4.4 LED800A.1 LED800B.1 X2.1 X4.1
  other v1: 3.511,1.319 106.511,1.319 2.412,1.616 4.587,1.616 105.412,1.616 107.587,1.616 1.616,2.413 5.384,2.412 104.616,2.413 108.384,2.412 1.336,3.494 5.675,3.5 104.336,3.494 108.675,3.5 1.616,4.588 5.384,4.587 104.616,4.588 108.384,4.587 2.413,5.384 4.588,5.384 105.413,5.384 107.588,5.384 3.5,5.675 106.5,5.675 15.725,9.9 16.225,9.9 16.725,9.9 17.225,9.9 17.725,9.9 18.225,9.9 15.475,10.35 15.975,10.35 16.475,10.35 16.975,10.35 17.475,10.35 17.975,10.35 18.475,10.35 15.225,10.8 15.725,10.8 16.225,10.8 16.725,10.8 17.225,10.8 17.725,10.8 18.225,10.8 18.725,10.8 15.475,11.25 18.475,11.25 15.225,11.7 18.725,11.7 15.225,12.275 18.725,12.275 15.225,12.825 18.725,12.825 15.225,13.4 18.725,13.4 15.475,13.85 18.475,13.85 15.225,14.3 15.725,14.3 16.225,14.3 16.725,14.3 17.225,14.3 17.725,14.3 18.225,14.3 18.725,14.3 15.475,14.75 15.975,14.75 16.475,14.75 16.975,14.75 17.475,14.75 17.975,14.75 18.475,14.75 15.725,15.2 16.225,15.2 16.725,15.2 17.225,15.2 17.725,15.2 18.225,15.2 91.775,16.6 92.275,16.6 92.775,16.6 93.275,16.6 93.775,16.6 94.275,16.6 91.525,17.05 92.025,17.05 92.525,17.05 93.025,17.05 93.525,17.05 94.025,17.05 94.525,17.05 91.275,17.5 91.775,17.5 92.275,17.5 92.775,17.5 93.275,17.5 93.775,17.5 94.275,17.5 94.775,17.5 91.525,17.95 94.525,17.95 91.275,18.4 94.775,18.4 91.275,18.975 94.775,18.975 91.275,19.525 94.775,19.525 91.275,20.1 94.775,20.1 91.525,20.55 94.525,20.55 91.275,21 91.775,21 92.275,21 92.775,21 93.275,21 93.775,21 94.275,21 94.775,21 91.525,21.45 92.025,21.45 92.525,21.45 93.025,21.45 93.525,21.45 94.025,21.45 94.525,21.45 91.775,21.9 92.275,21.9 92.775,21.9 93.275,21.9 93.775,21.9 94.275,21.9 92.775,28.5 93.275,28.5 93.775,28.5 94.275,28.5 94.775,28.5 95.275,28.5 92.525,28.95 93.025,28.95 93.525,28.95 94.025,28.95 94.525,28.95 95.025,28.95 95.525,28.95 92.275,29.4 92.775,29.4 93.275,29.4 93.775,29.4 94.275,29.4 94.775,29.4 95.275,29.4 95.775,29.4 92.525,29.85 95.525,29.85 92.275,30.3 95.775,30.3 92.275,30.875 95.775,30.875 92.275,31.425 95.775,31.425 92.275,32 95.775,32 92.525,32.45 95.525,32.45 92.275,32.9 92.775,32.9 93.275,32.9 93.775,32.9 94.275,32.9 94.775,32.9 95.275,32.9 95.775,32.9 92.525,33.35 93.025,33.35 93.525,33.35 94.025,33.35 94.525,33.35 95.025,33.35 95.525,33.35 92.775,33.8 93.275,33.8 93.775,33.8 94.275,33.8 94.775,33.8 95.275,33.8
  other v2: 8,2 11,2 14,2 17,2 20,2 23,2 62,2 65,2 6.5,5 9.5,5 12.5,5 15.5,5 18.5,5 21.5,5 2,8 5,8 8,8 14,8 17,8 20,8 104,8 107,8 3.5,11 6.5,11 9.5,11 12.5,11 36.5,11 39.5,11 42.5,11 45.5,11 48.5,11 51.5,11 105.5,11 108.5,11 2,14 5,14 8,14 11,14 14,14 20,14 35,14 38,14 47,14 68,14 104,14 107,14 3.5,17 6.5,17 9.5,17 12.5,17 54.5,17 57.5,17 60.5,17 96.5,17 99.5,17 102.5,17 105.5,17 108.5,17 2,20 5,20 8,20 11,20 98,20 101,20 104,20 107,20 3.5,23 72.5,23 75.5,23 93.5,23 96.5,23 102.5,23 105.5,23 108.5,23 92,26 95,26 98,26 101,26 104,26 107,26 96.5,29 102.5,29 105.5,29 108.5,29 98,32 101,32 104,32 107,32 96.5,35 99.5,35 102.5,35 105.5,35 108.5,35 101,38 104,38 107,38 102.5,41 105.5,41 108.5,41
Bat_GND_Fused: BT700.3 C303.1 C403.1 C404.1 C405.1 C406.1 C407.1 C410.2 C411.1 C413.2 C414.1 C415.1 C416.2 C419.1 C420.2 C421.1 C600.1 C601.2 C602.2 C603.2 C604.1 C700.1 C701.1 C702.1 C703.1 C704.1 C705.1 C706.1 C707.1 C708.2 C712.1 C714.2 C715.2 C800A.1 C800B.1 C801A.1 C801B.1 C803A.1 C803B.1 C804A.1 C804B.1 C900.2 F2.2 IC301.2 IC400.4 IC400.9 IC400.14 IC401.8 IC401.17 IC402.1 IC403.9 IC403.15 IC600.30 IC600.31 IC600.40 IC600.45 IC600.46 IC600.47 IC600.48 IC700.12 IC700.18 IC700.31 IC700.47 IC700.63 IC701.4 IC702.2 IC800A.15 IC800B.15 IC801A.8 IC801A.17 IC801B.8 IC801B.17 IC900.1 IC900.2 IC900.4 J3.2 J5.2 J6.2 J11.1 J700.3 J700.5 LED700.1 LED701.1 LED702.1 LED703.1 LS700.2 PS400.7 PS400.10_11 PS400.12 PS401.1 PS401.2_3 R300.1 R301.1 R302.1 R400.2 R403.2 R405.1 R407.1 R704.1 R705.1 R706.1 R707.1 R802A.1 R802B.1 R807A.1 R807B.1 S700.2 S702.1 TP2.1 | length 102.1
  Top Layer w0.203: v1(7.003,56.35) 7.051,56.303 7.051,56.199 7.65,55.6 J5.2@8.7,55.6 ; v1(16.9,33.1) C600.1@17.6,33.1 ; C603.2@18.3,43.8 v1(18.3,44.8) ; F2.2@18.6,27.292 18.6,27 18.6,26.708 F2.2@19.508,25.8 ; v1(19.8,46.73) 20.77,46.73 C602.2@20.8,46.7 C601.2@22.1,46.7 ; C601.2@22.1,46.407 22.8,47.107 22.963,47.107 23.05,47.195 23.652,47.195 ; IC600.48@24.6,38.5 25.35,38.5 25.759,38.909 25.759,39 ; IC600.47@24.6,39 25.759,39 ; IC600.46@24.6,39.5 v1(26.1,39.5) ; IC600.45@24.6,40 24.645,39.955 25.605,39.955 26.06,39.5 v1(26.1,39.5) ; IC600.31@24.6,47 23.847,47 23.652,47.195 ; IC600.30@24.6,47.5 23.85,47.5 23.652,47.302 23.652,47.195 ; v1(27.3,26.55) 27.3,23.2 C708.2@29.2,21.3 ; J700.5@27.8,30.93 v1(27.8,31.6) J700.3@27.8,32.2 ; C604.1@34.1,39.9 v1(34.8,39.9) ; S702.1@44.65,45.35 45,45.7 v1(45.8,45.7) ; LED703.1@65.75,28.35 LED702.1@65.75,30.15 LED701.1@65.75,31.95 65.75,33.25 v1(66.3,33.8) ; C801B.1@69.524,28.718 69.674,28.868 IC801B.8@71.162,28.868 ; 25.759,39 26.091,39.332 26.091,39.491 v1(26.1,39.5)
  Top Layer w0.25: v1(23.3,42.4) 23.354,42.4 23.429,42.475 24.575,42.475 IC600.40@24.6,42.5 ; C700.1@43.45,33.1 43.5,33.05 IC700.12@46.412,33.05 ; v1(48.4,27.7) 48.909,28.209 48.909,29.053 IC700.18@48.9,29.062 ; v1(48.8,42.4) 48.875,42.325 48.875,40.563 IC700.63@48.9,40.538 ; C702.1@55.175,26.5 55.175,27.287 55.4,27.512 IC700.31@55.4,29.062 ; IC700.47@57.888,38.05 59.188,38.05 59.613,37.625 C706.1@60.55,37.625
  Top Layer w0.45: 39.8,25.1 R802A.1@39.8,19.1 39.8,19.025 41.125,17.7 IC800A.15@41.125,15.925 ; 44.9,25.43 44.9,23 47.462,20.438 47.935,20.438 48.595,19.778 48.595,19.505 C800A.1@48.7,19.4 C804A.1@48.7,17.8 48.7,17.695 49.17,17.225 49.205,17.225 49.395,17.035 49.395,15.963 54.3,11.058 v1(54.3,9.3)
  Top Layer w0.5: 41.55,35.305 41.755,35.1 44.345,35.1 44.545,35.3 C715.2@44.65,35.3 ; v1(42.575,39.4) v1@42.675,39.3
  Mid Layer 2 w0.45: v1(54.3,9.3) 54.967,9.3 55.092,9.425 57.175,9.425 v1(58.3,8.3)
  Bottom Layer w0.203: v1(7,47.5) 7.047,47.453 7.047,47.203 7.65,46.6 J6.2@8.7,46.6 ; v1(7.003,56.35) 7.051,56.397 7.051,56.501 7.65,57.1 J3.2@8.7,57.1 ; R300.1@35.444,45 35.604,45.16 IC301.2@36.55,45.16 ; R301.1@36.775,47.985 36.766,47.975 36.766,47.5 37.455,46.811 37.455,45.458 37.276,45.28 ; R301.1@36.8,48.023 R302.1@36.8,49.391 ; v1(37.96,42.359) 37.96,42.426 37.673,42.713 37.673,43.102 37.65,43.125 37.5,43.125 37.5,44.9 37.276,45.124 ; IC301.2@36.55,45.16 36.67,45.28 37.276,45.28 ; IC301.2@36.55,45.16 36.586,45.124 37.276,45.124 ; 37.276,45.124 37.276,45.28
  Bottom Layer w0.45: v1(61.6,7.9) C800B.1@62.3,8.6
  other v1: 55.125,26.5 45,27.5 39.125,27.65 30,29.3 73.45,29.65 73.45,30.7 73.45,31.65 6.4,31.9 53.475,33.05 43.095,33.246 42.275,34.9 43.1,34.9 61.5,35.85 60.3,36.7 42.023,39.4 28.6,41.175 63.727,41.962 64.431,41.962 67.85,41.975 70.538,42.321 68.54,42.356 60.82,42.525 69.037,42.854 71.534,43.317 63.305,43.438 64.009,43.438 64.713,43.438 67.529,43.438 84.875,45 71.716,45.511 82.15,45.975 72.5,46.325 92.125,46.725 72.2,48.125 86.5,48.15 76.691,48.323 77.395,48.323 75.987,48.346 92.225,48.75 92.128,49.884 92.626,50.381 91.475,54.15 93.844,54.199 96.067,55.033 101.476,55.08 94.84,55.194 95.295,55.732 95.823,58.114 88.2,59.8 90.025,59.85 88.225,60.675 90.075,60.7
  other v2: 2,29 3.5,32 2,35 5,35 26,35 3.5,38 2,41 5,41 3.5,44 6.5,50 9.5,50 84.5,50 3.5,56 8,59 6.5,62 9.5,62 8,65
Boot: IC700.60 S702.2 | length 10.8
  Top Layer w0.203: S702.2@42.9,43.05 46,43.05 46.42,43.47 49.319,43.47 49.379,43.53 50.219,43.53 50.63,43.119 50.63,41.981 50.4,41.751 IC700.60@50.4,40.538
CAN_GND: C418.1 C709.1 C710.1 C713.1 D700.3 IC701.7 J8.3 J8.4 J9.3 J9.4 PS401.10_11 PS401.12 TP408.1 | length 3.8
  Bottom Layer w0.203: C710.1@93.75,44.775 93.75,44.67 94.45,43.97 94.45,43.875 ; IC701.7@95.237,47.365 95.428,47.556 96.099,47.556 v1(96.405,47.862)
  Bottom Layer w0.6: PS401.10_11@97.162,53.7 98.28,53.7 C418.1@98.35,53.77
  other v1: 98.375,44.4 104.125,49.275 108.2,49.275 104.125,50.775 108.2,50.775 104.125,52.275 108.2,52.275 104.125,53.85 108.2,53.85
CAN_N: D700.2 FL700.3 J8.2 J9.2 S703.2 | length 23.6
  Top Layer w0.16: S703.2@94.57,50.82 96.07,50.82 96.21,50.96 96.21,52.998 96.727,53.515 98.973,53.515 99.96,52.528 99.96,51.527 99.7,51.267 v1(99.7,50.8) 100.17,50.33 100.611,50.33 100.705,50.424 100.705,50.43 101.025,50.75 J9.2@102.075,50.75
  Bottom Layer w0.16: FL700.3@97.775,47.05 97.855,46.97 100.57,46.97 101.05,47.45 101.05,47.9 100.83,48.12 100.602,48.12 100.508,48.214 100.508,48.62 99.622,49.506 99.622,50.561 99.645,50.584 99.645,50.745 v1(99.7,50.8) 99.7,51.267 99.96,51.527 99.96,51.66 100.263,51.963 101.692,51.963 J8.2@102.012,52.283